# Altium PCB PCB_EUROC_mk2_BGA.PcbDoc (part 1 of 3)
Units mm, origin at the board's own origin, x right, y up, seen from the top; angles counter-clockwise.
Board outline 90 x 100 mm, 4 copper layers (Top Layer, Ground Layer, VCC Layer, Bottom Layer), stack 1.586 mm thick; 139 components, 118 nets, 695 pads, 450 vias.
Unrouted connection lines stored in the file: 72.
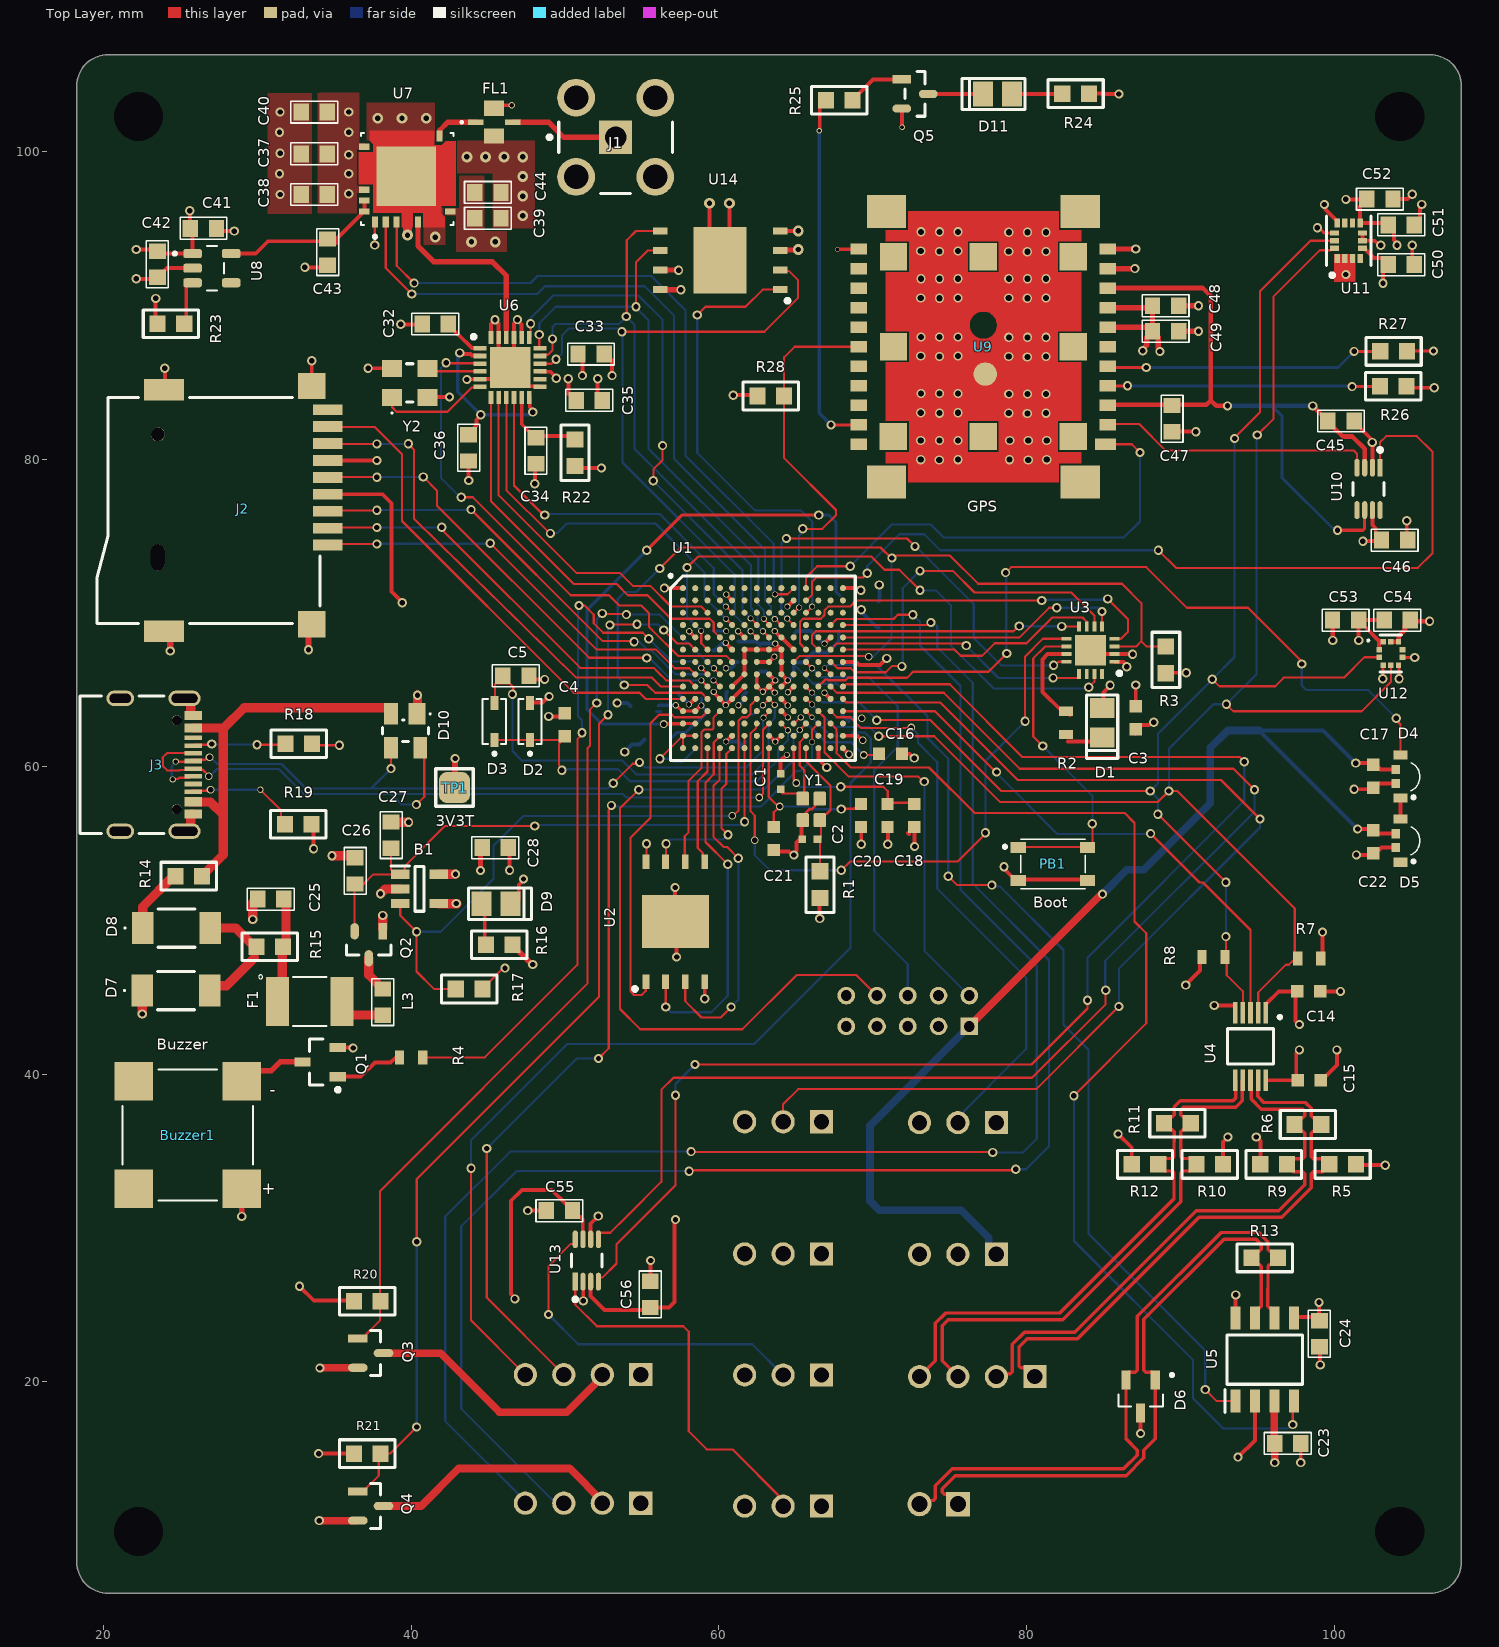
[diagram p0: Top Layer view]
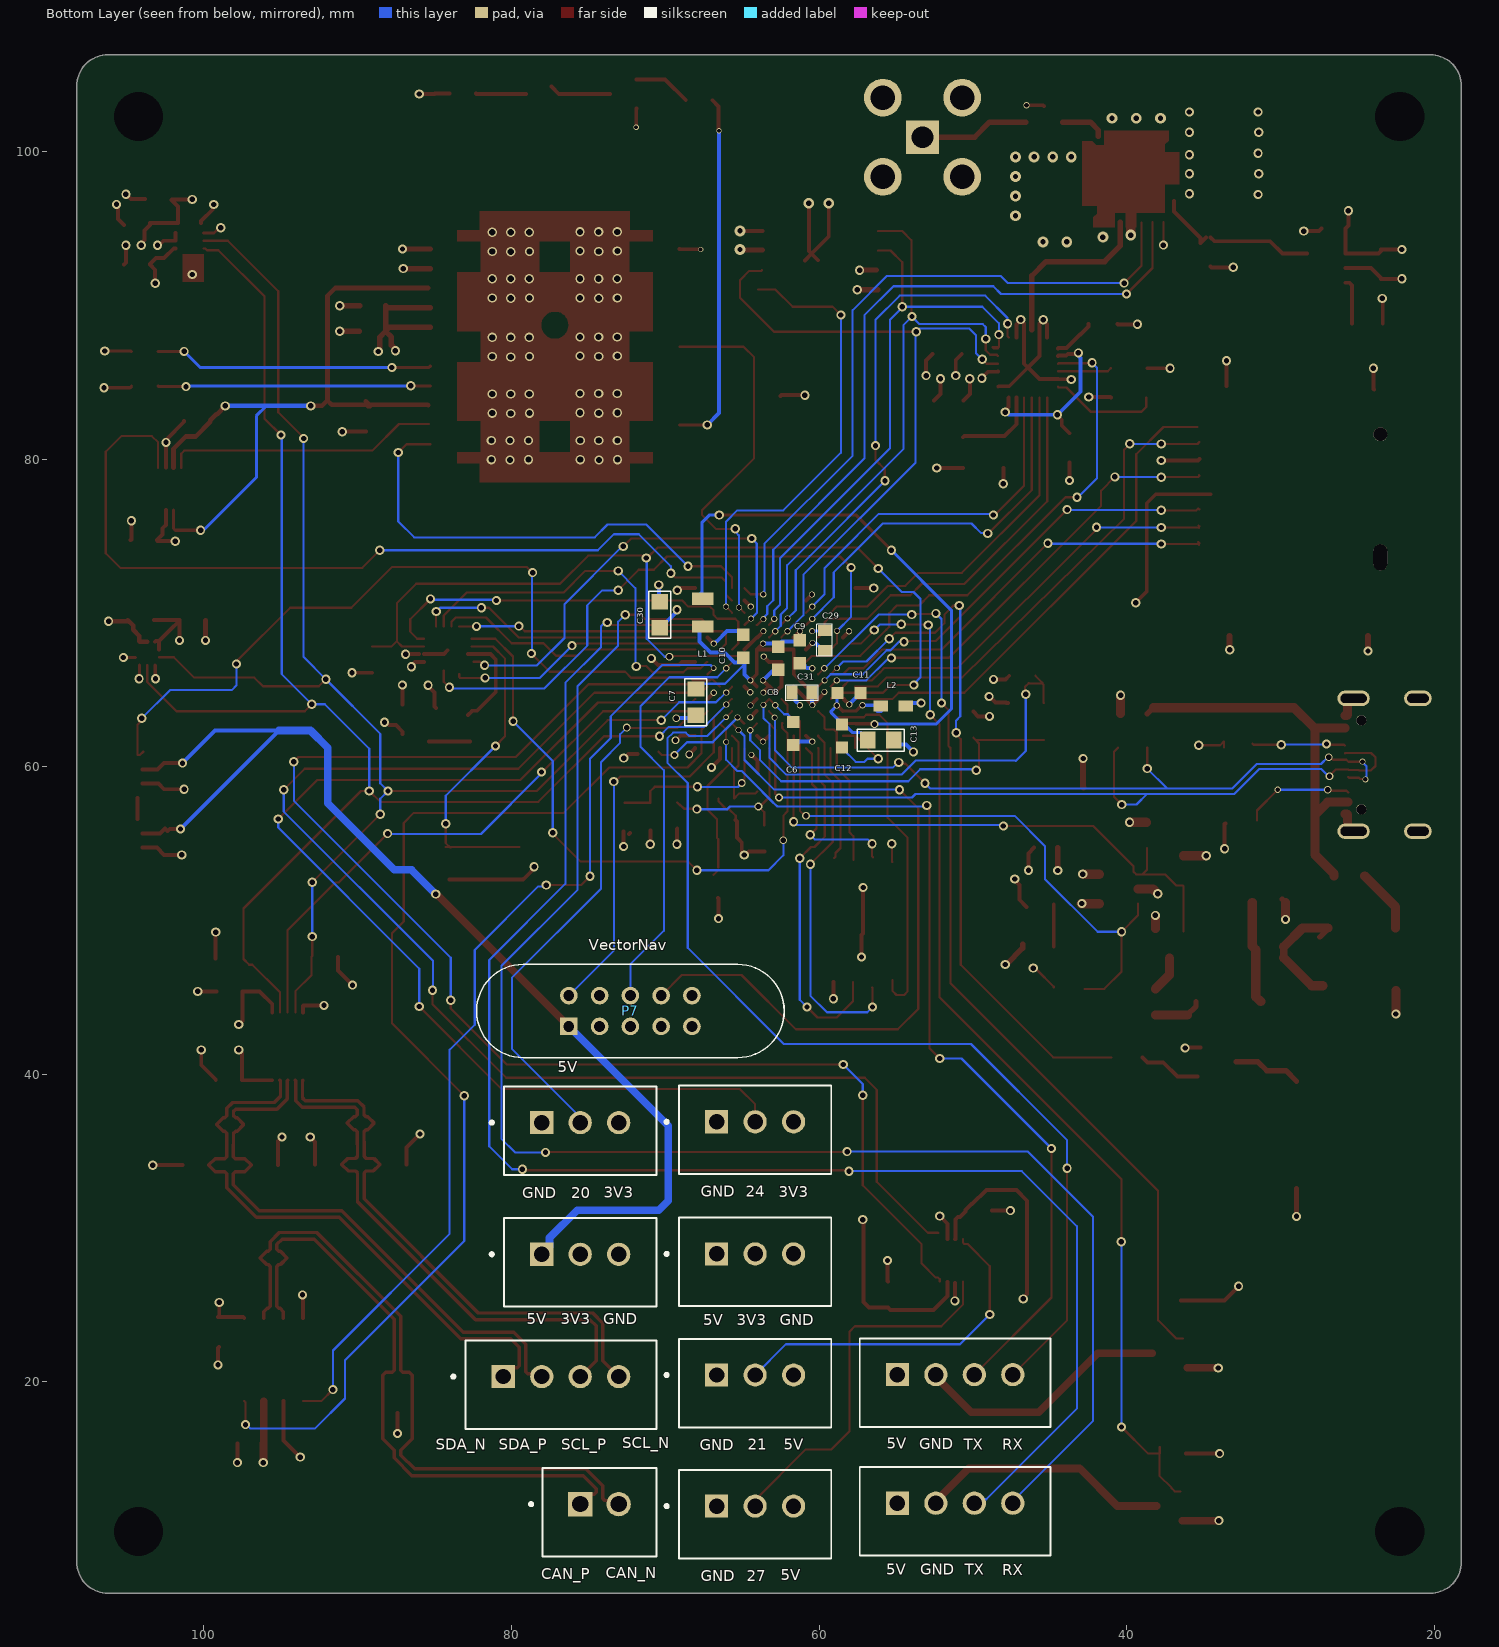
[diagram p1: Bottom Layer view, seen from below]
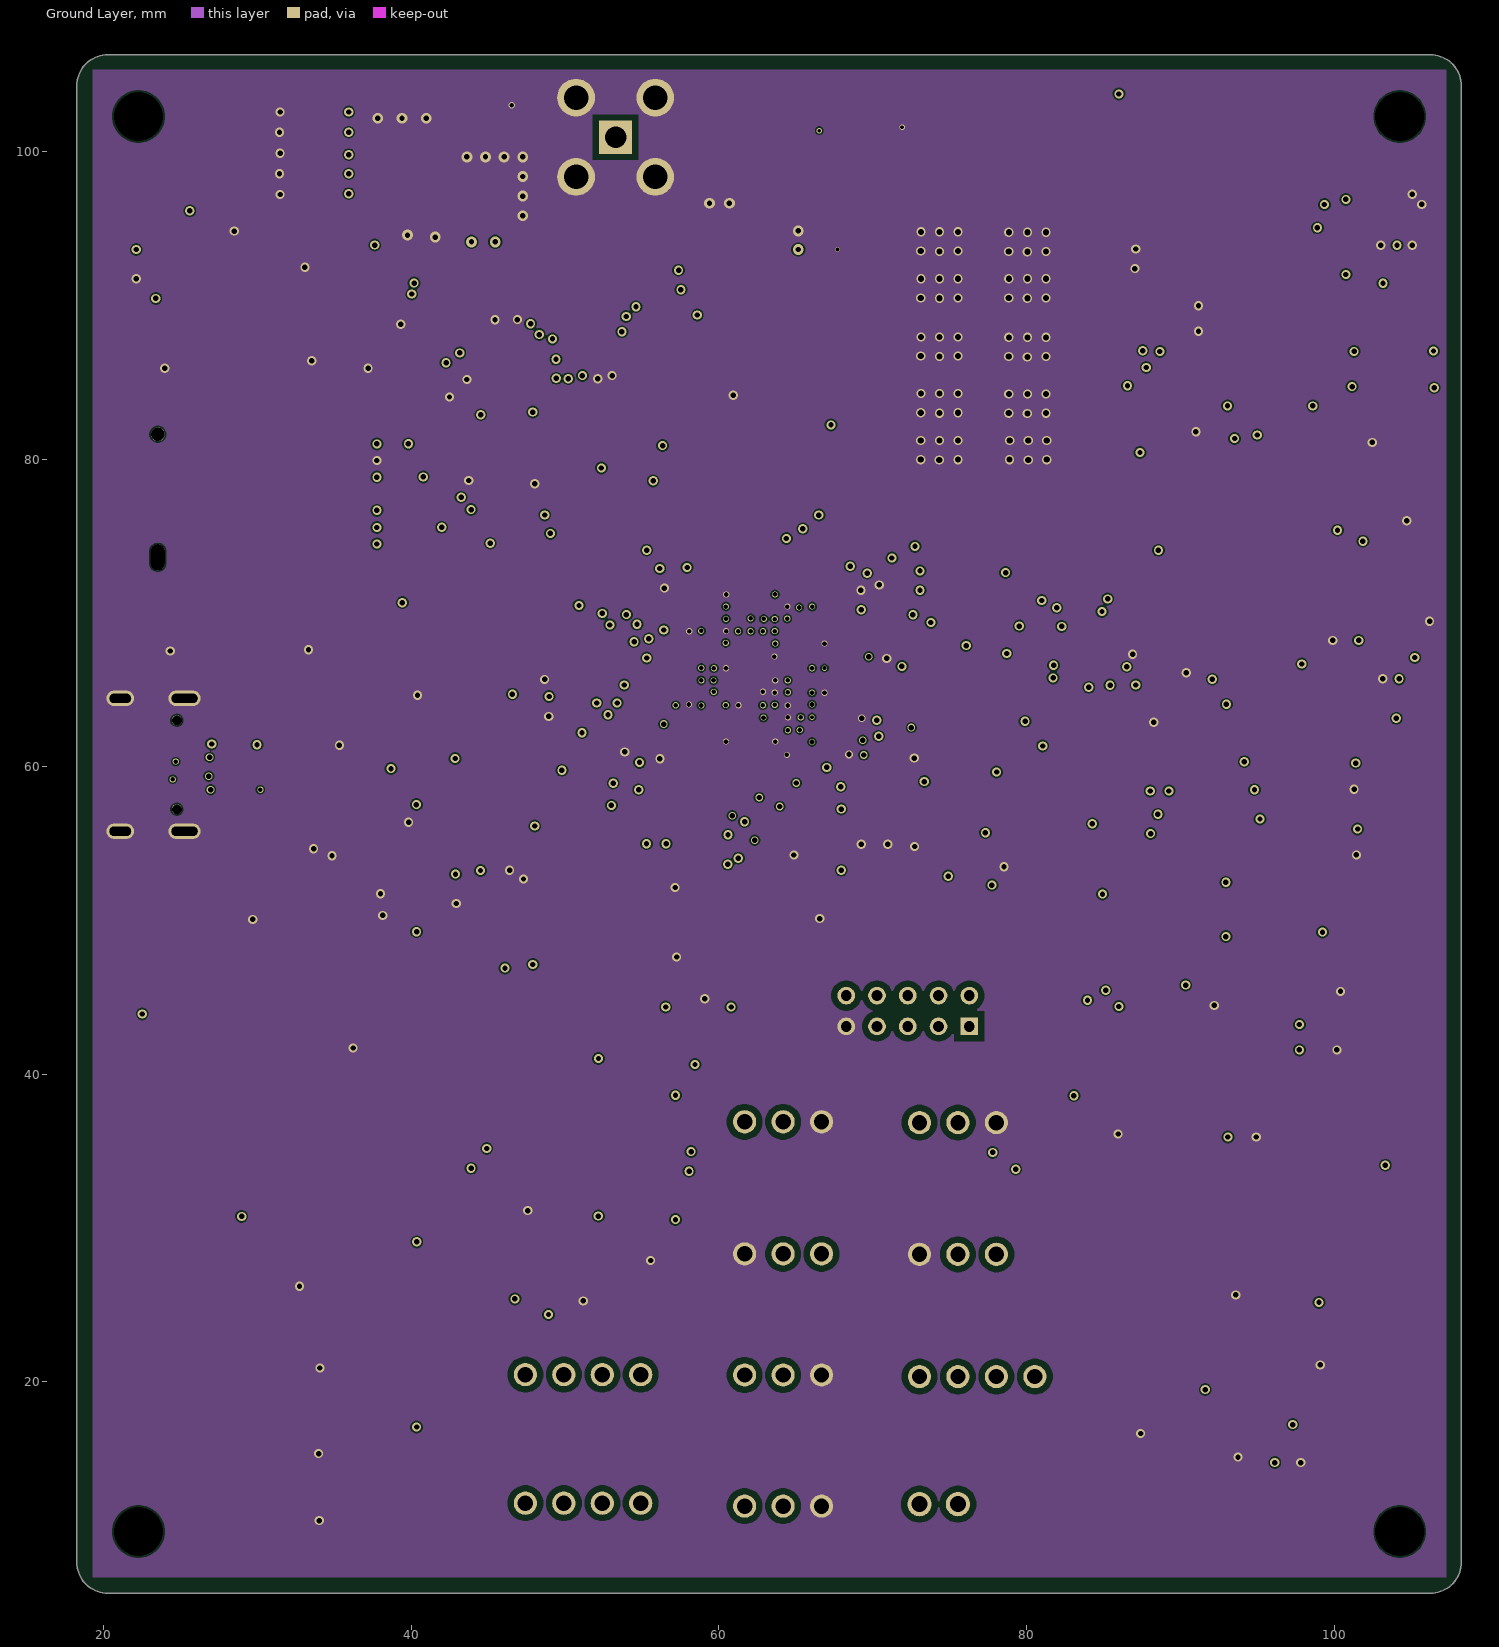
[diagram p2: Ground Layer]
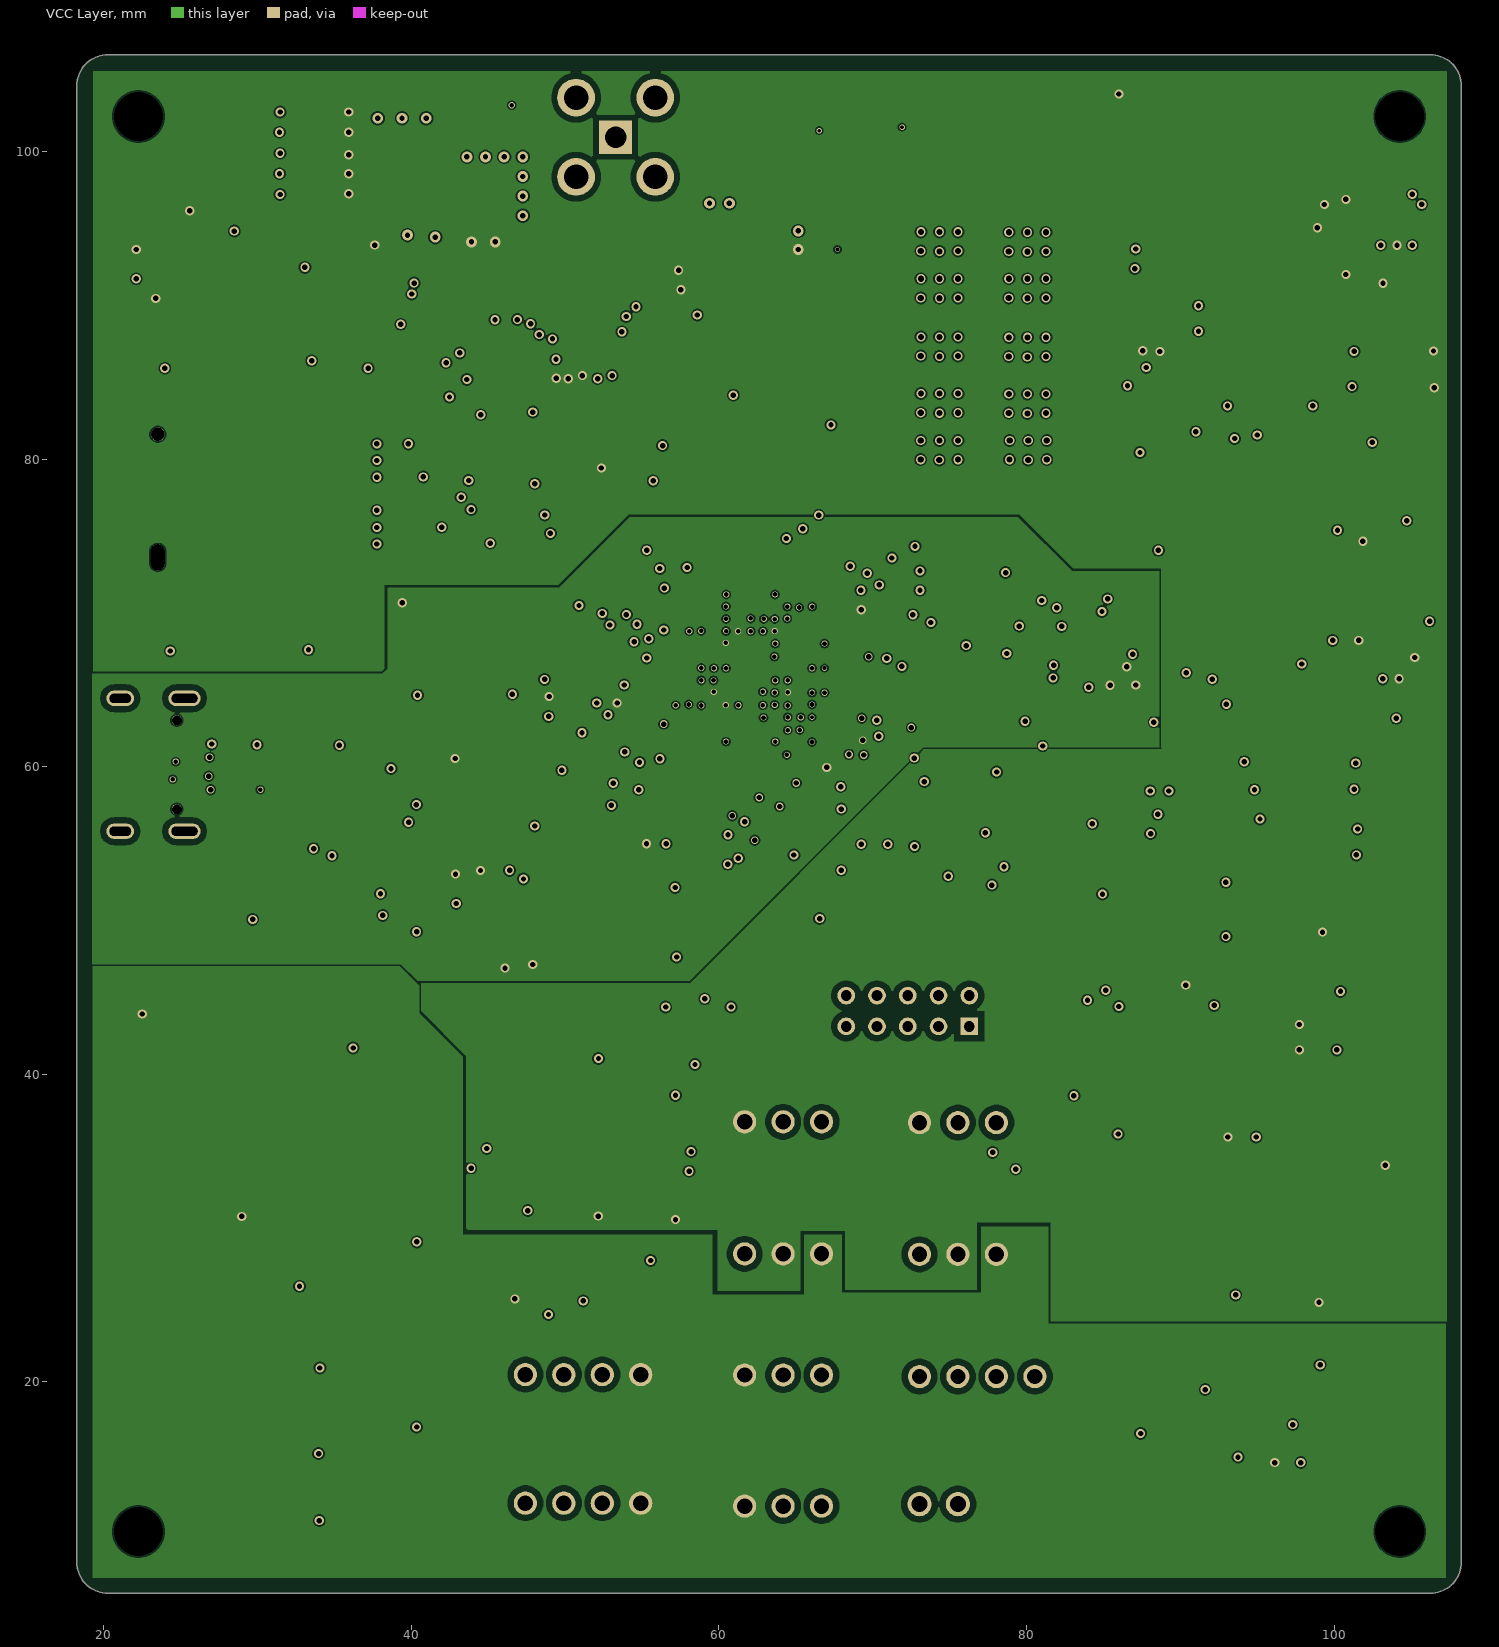
[diagram p3: VCC Layer]
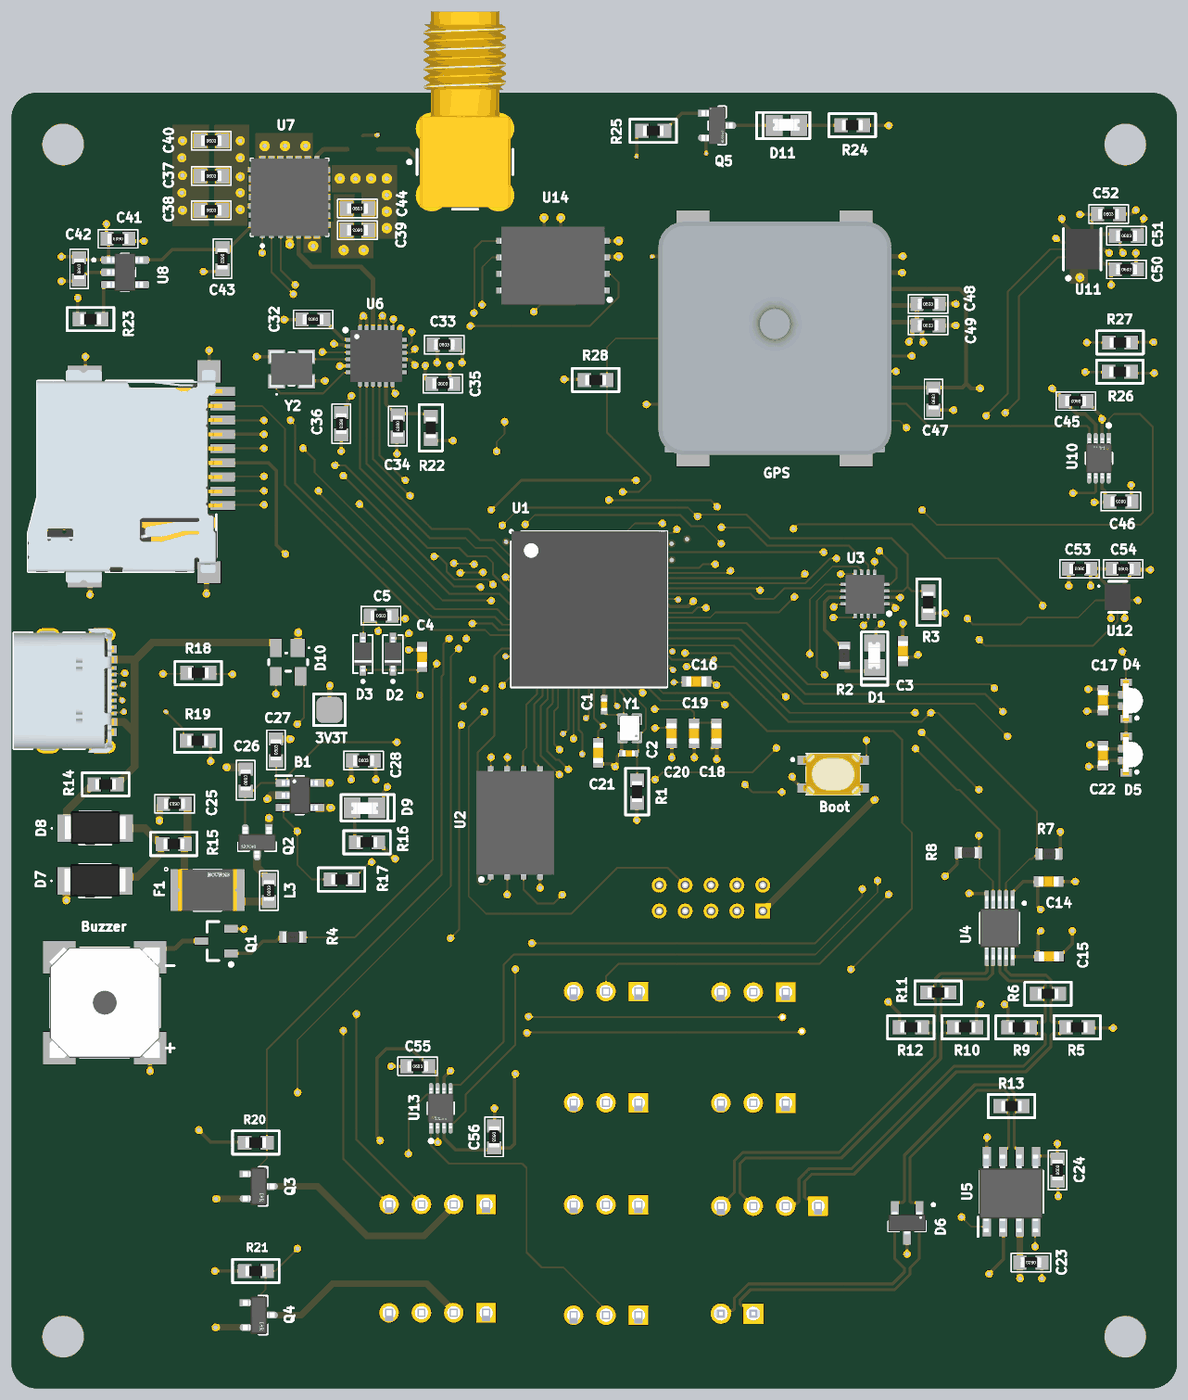
[diagram p6: 3D render of the assembled board from above, using the file's embedded part models]
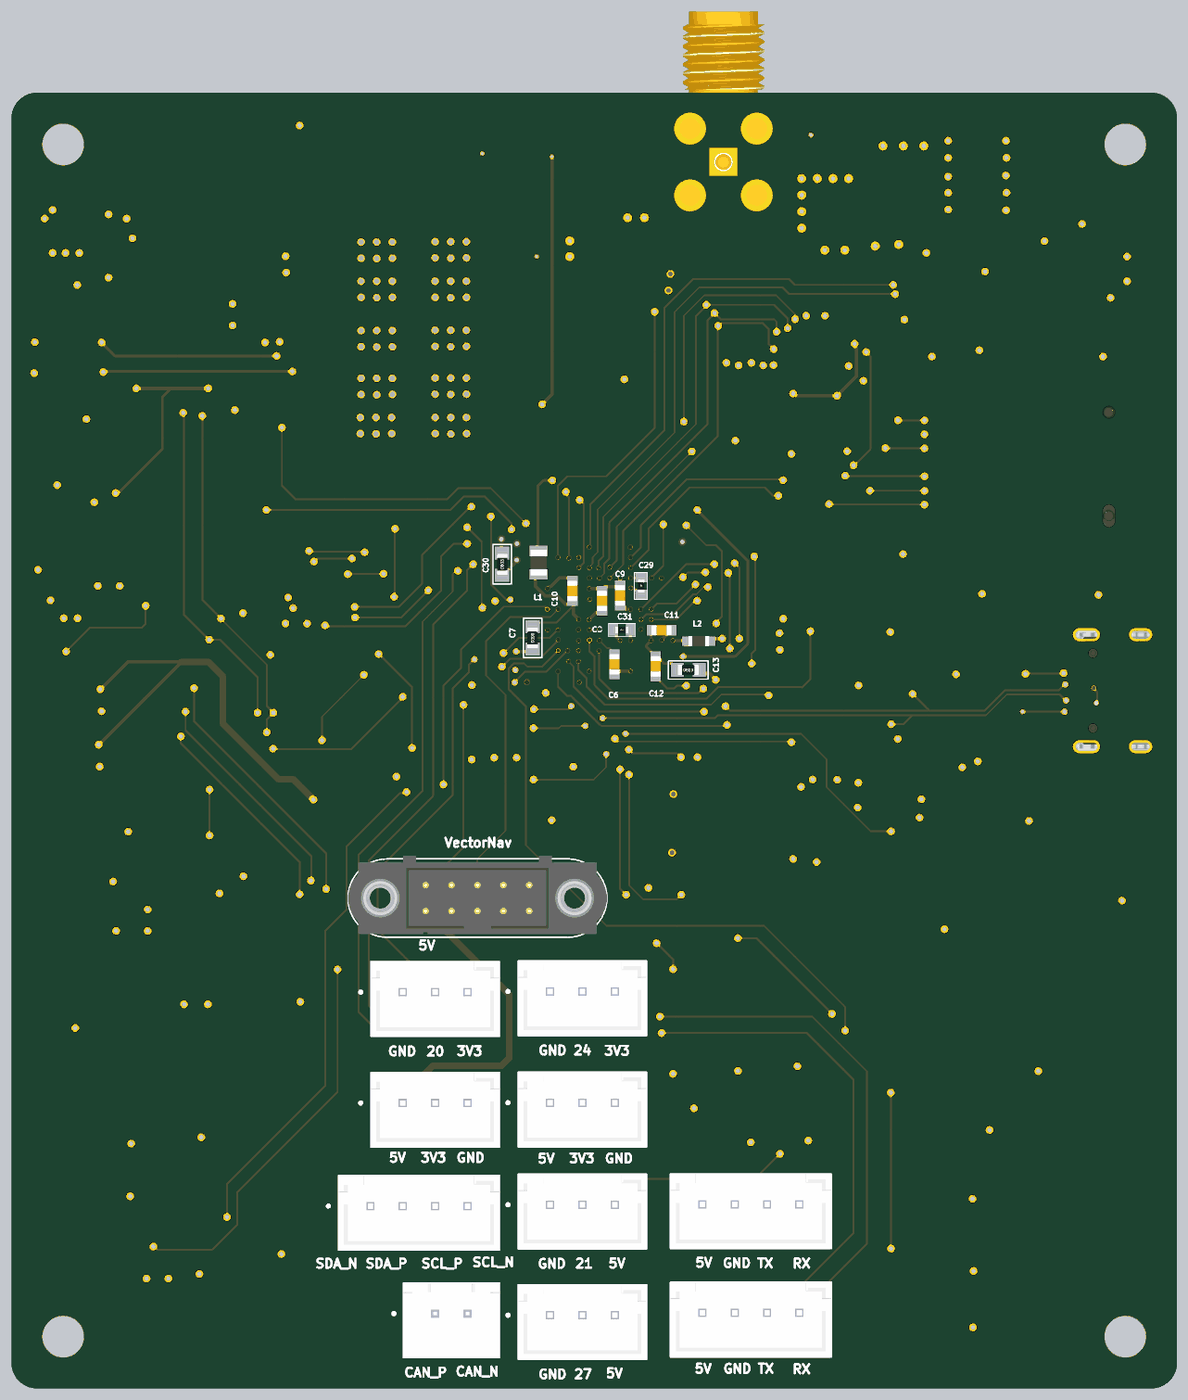
[diagram p7: 3D render of the assembled board from below, using the file's embedded part models]

## Layer stack, top to bottom
Top Solder: solder mask 0.0102, Solder Resist, Dk 3.5
Top Layer: signal copper 0.035
Dielectric 2: prepreg 0.2104, PP-006, Dk 4.1
Ground Layer: signal copper 0.0152
Core: core 1.065, Core, Dk 4.1
VCC Layer: signal copper 0.0152
Dielectric 5: prepreg 0.2104, PP-006, Dk 4.1
Bottom Layer: signal copper 0.035
Bottom Solder: solder mask 0.0102, Solder Resist, Dk 3.5

## Board outline
18.262,8.273 18.262,104.273 cw(c20.262,104.273) 20.262,106.273 106.262,106.273 cw(c106.262,104.273) 108.262,104.273 108.262,8.273 cw(c106.262,8.273) 106.262,6.273 20.262,6.273 cw(c20.262,8.273)
